# Altium PCB PCB_SDR.PcbDoc (part 5 of 6)
Units mil, origin at the board's own origin, x right, y up, seen from the top; angles counter-clockwise.
Board outline 4925.6 x 3220.01 mil, 8 copper layers (Top Layer, GND1, Signal 1, Power1, Power2, Signal 2, GND2, Bottom Layer), stack 62.84 mil thick; 406 components, 373 nets, 1642 pads, 1474 vias.
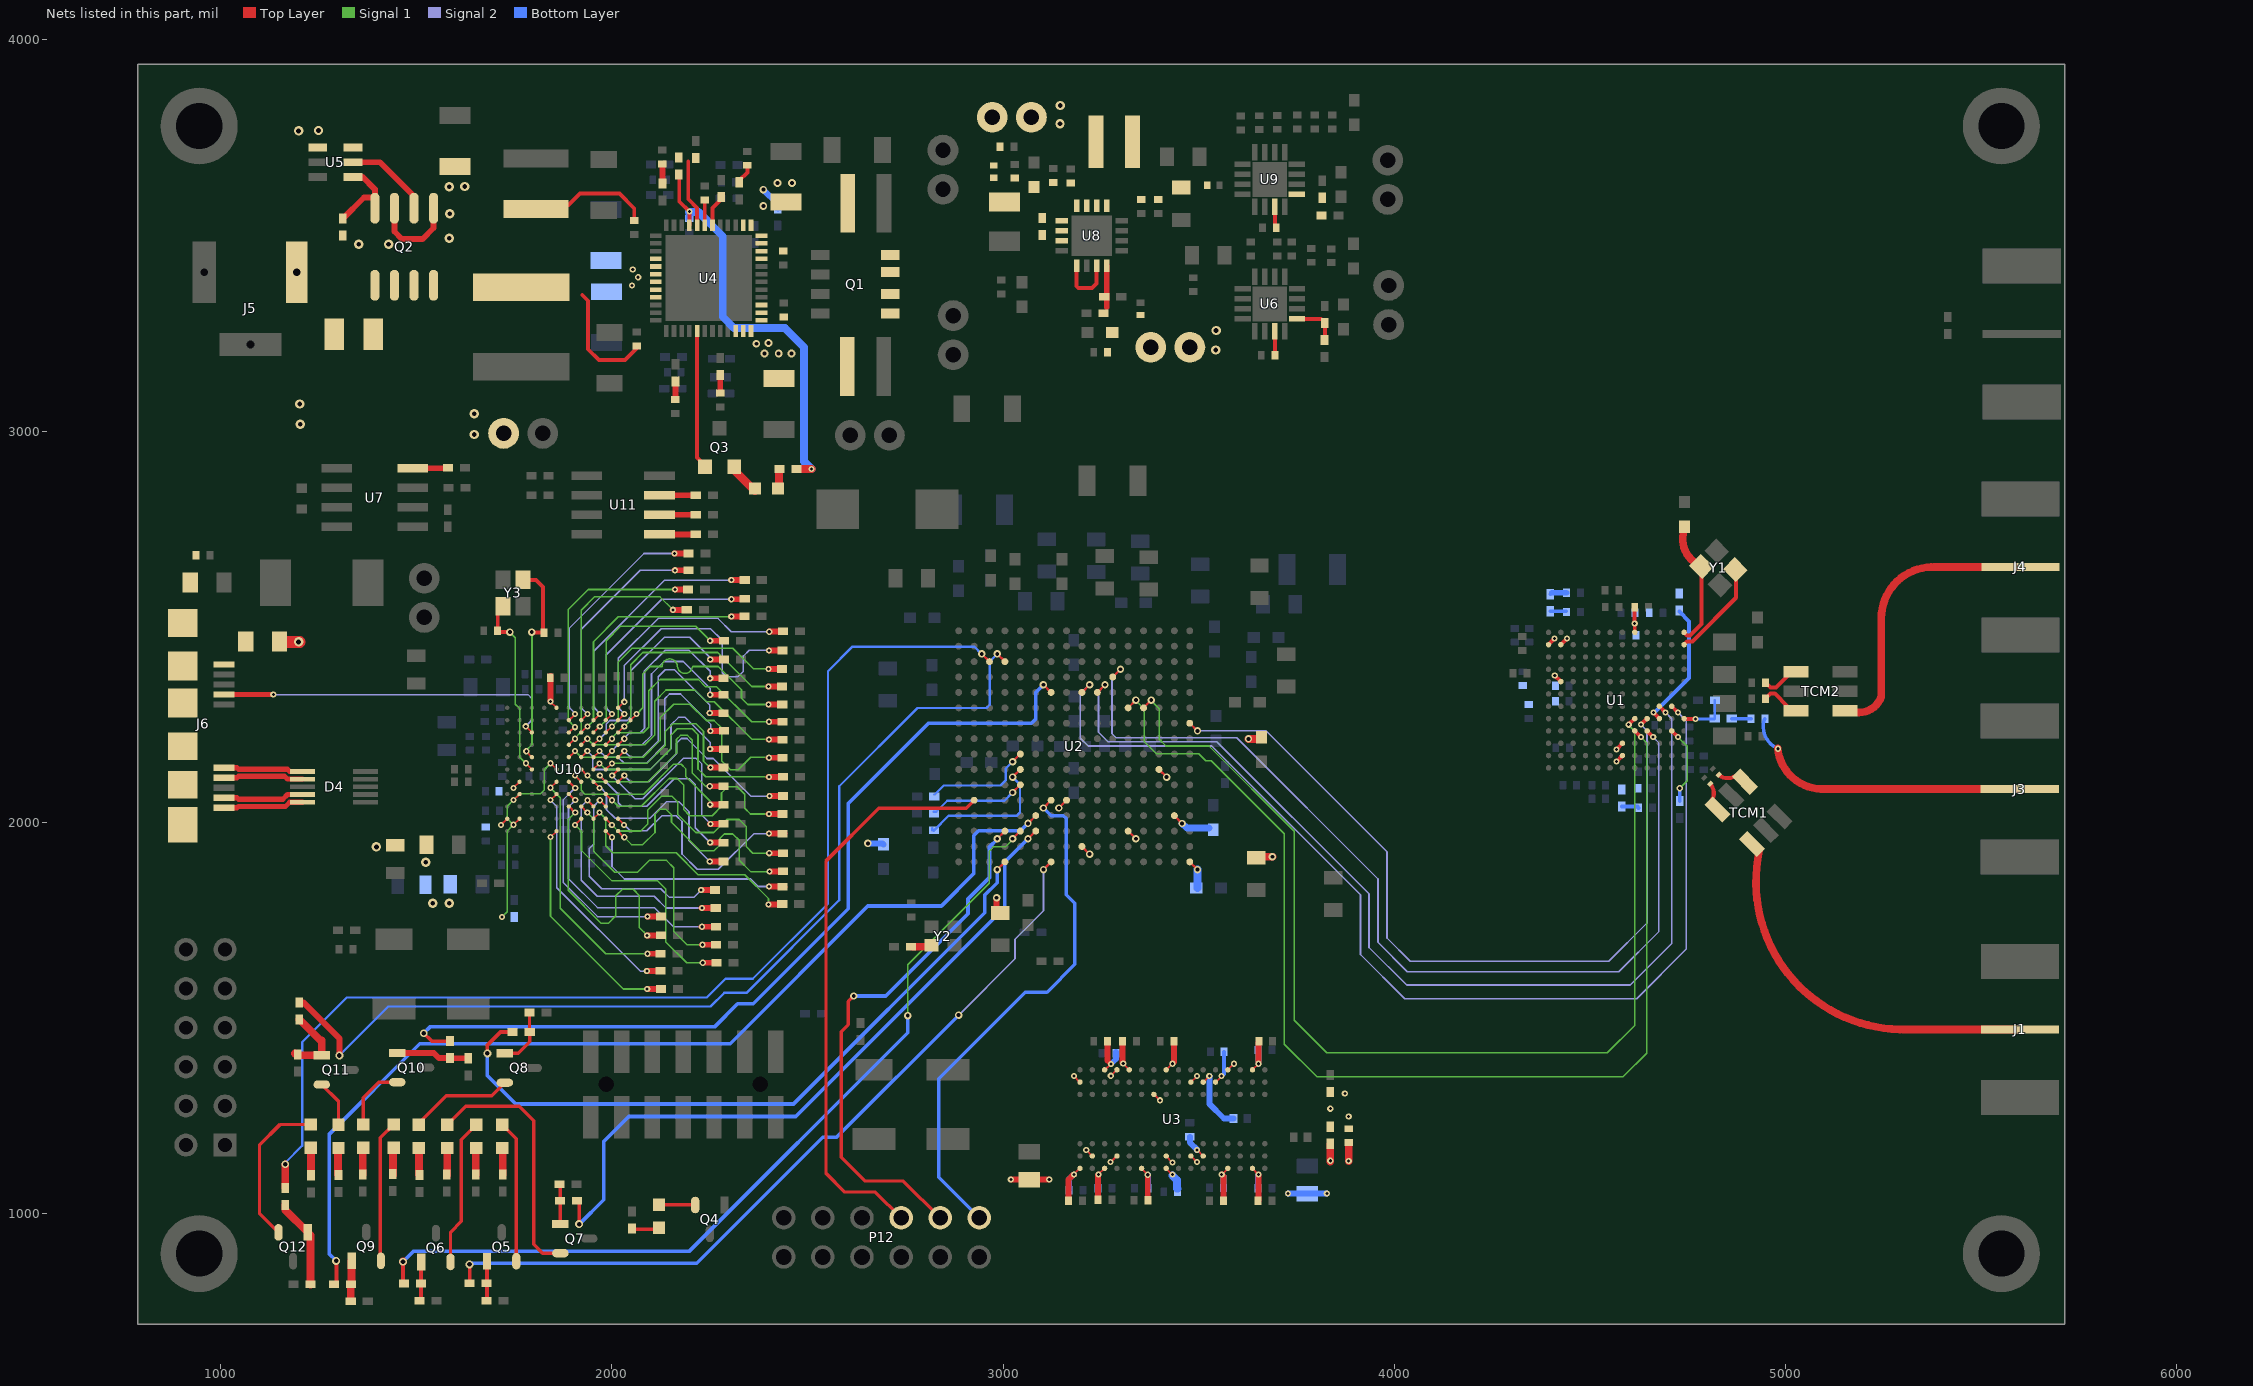
[diagram p11: the nets of this part, all layers, seen from the top]

## Via types
v1: diameter 15.75, hole 7.87, Top Layer to Bottom Layer, tented both sides, 559 vias
v2: diameter 18.9, hole 9.84, Top Layer to Bottom Layer, tented both sides, 368 vias
v3: diameter 20, hole 11.81, Top Layer to Bottom Layer, 129 vias
v4: diameter 15.75, hole 7.87, Top Layer to Bottom Layer, 126 vias
v5: diameter 20, hole 10, Top Layer to Bottom Layer, 124 vias
v6: diameter 24, hole 12, Top Layer to Bottom Layer, 105 vias
v7: diameter 19.68, hole 9.84, Top Layer to Bottom Layer, tented both sides, 22 vias
v8: diameter 19.68, hole 7.87, Top Layer to Bottom Layer, tented both sides, 20 vias
v9: diameter 20, hole 10, Top Layer to Bottom Layer, tented both sides, 14 vias
v10: diameter 21.65, hole 9.84, Top Layer to Bottom Layer, 6 vias
v11: diameter 21.65, hole 7.87, Top Layer to Bottom Layer, tented both sides, 1 vias

## Nets (pads, with @x,y where several pads share a name; then routed paths per layer and width w, separated by ;. In a path a pad name is that pad's centre, name@x,y a point inside that pad or via, vN(x,y) a via of type N, cw(c..) or ccw(c..) an arc to the next point about the centre after c; other vN are vias at no path point) (continued)
GPIO3: P12.12 U2.K12 | length 1347.2
  Top Layer w6: v2(3102.76,2036.61) U2.K12@3122.44,2056.3
  Bottom Layer w8.6: P12.12@2939,989 2835,1093 2835,1345 3056,1566 3112,1566 3183,1637 3183,1793 3161,1815 3161,2010 3154,2017 3122.37,2017 v2(3102.76,2036.61)
GPIO4: P12.11 U2.N14 | length 1372.1
  Top Layer w6: v2(2984.65,1957.87) U2.N14@3004.33,1977.56
  Top Layer w8.6: v2(2618,1556) 2604,1542 2604,1483 2586,1465 2586,1144 2647,1083 2745,1083 P12.11@2839,989
  Bottom Layer w6: v2@2984.65,1956.65 v2(2984.65,1957.87)
  Bottom Layer w9.28: v2(2618,1556) 2700,1556 2910,1766 2910,1804 2965,1859 2965,1937 v2@2984.65,1956.65
GPIO5: P12.10 U2.R12 | length 1480.1
  Top Layer w8.6: P12.10@2739,989 2673,1055 2595,1055 2547,1103 2547,1901 2682,2036 2905.29,2036 U2.R12@2925.59,2056.3
JACK_IN: F1.1 J5.1
LEDS0: R130.2 U2.K16 | length 2051.4
  Top Layer w6: v2@3102.76,1879.13 U2.K16@3122.44,1898.82
  Top Layer w9.28: R130.2@1636.24,822 1636.24,868.76 1636,869 v3@1636.6,869.6
  Signal 2 w4.15: v2(2886,1507) 3030,1651 3030,1701 3103,1774 v2(3103,1878.89)
  Bottom Layer w9.28: v3(1636,870) 1639,873 2217,873 2539,1195 2574,1195 v2(2886,1507)
LEDS1: R131.2 U2.M14 | length 2247.8
  Top Layer w6: v2(3024.02,1957.87) U2.M14@3043.7,1977.56
  Top Layer w9.28: v3@1464,877 v3@1466,877 ; R131.2@1466,817 v3(1466,876.6)
  Top Layer w20: v3@1466,877 v3@1466.4,876.6
  Signal 1 w4.15: v2(2756,1506) 2756,1636 2964,1844 2964,1926 2975,1937 3005,1937 3024.02,1956.02 v2(3024.02,1957.87)
  Bottom Layer w5.91: v2@3023.13,1957.87 v2(3024.02,1957.87)
  Bottom Layer w9.28: v3(1466,876.6) 1493.4,904 2198,904 2756,1462 v2(2756,1506)
LEDS2: R116.2 U2.L14 | length 1801.4
  Top Layer w6: v2(3063.39,1957.87) U2.L14@3083.07,1977.56
  Top Layer w9.28: R116.2@1910.76,1033 1916,1027.76 v3(1916,973) ; v3@1913.6,973.4 v3@1914,973
  Bottom Layer w9.28: v3(1916,973) 1917,973 1979,1035 1979,1184 2043,1248 2470,1248 3004,1782 3004,1898.49 v2(3063.39,1957.87)
LEDS3: R117.2 U2.N16 | length 1811.7
  Top Layer w6: v2(2984.65,1879.13) U2.N16@3004.33,1898.82
  Top Layer w9.28: v3(1681.6,1409.4) 1681.6,1430.6 1715,1464 R117.2@1746.24,1464
  Bottom Layer w9.28: v3(1681.6,1409.4) 1681.6,1352.4 1754,1280 2464,1280 2953,1769 2953,1814 2984.65,1845.65 v2(2984.65,1879.13)
LEDS4: R118.2 U2.L13 | length 2594.1
  Top Layer w6: v2(3063.39,1997.24) U2.L13@3083.07,2016.93
  Top Layer w9.28: R118.2@1289.24,819 1296,825.76 1296,878 v3(1295,879)
  Bottom Layer w9.28: v3(1295,879) 1277,897 1277,1202 1509,1434 2302,1434 2654,1786 2842,1786 2925,1869 2925,1966 2937,1978 3044.14,1978 v2(3063.39,1997.24)
LEDS5: R119.2 U2.K5 | length 2253.2
  Top Layer w6: v2(3102.75,2351.57) U2.K5@3122.44,2331.89
  Top Layer w9.28: v3(1519,1461) 1539.24,1440.76 R119.2@1586,1440.76
  Bottom Layer w9.28: v3(1519,1461) 1535,1477 2262,1477 2321,1536 2361,1536 2604,1779 2604,2048 2809,2253 3072,2253 3083,2264 3083,2331.82 v2(3102.75,2351.57)
LEDS6: R120.2 U2.N3 | length 2556.1
  Top Layer w6: R120.2@1201,1539.76 1211.24,1539.76 ; v3@1301.76,1405.24 v3(1303.19,1403.81) ; v2(2984.65,2430.32) U2.N3@3004.33,2410.63
  Top Layer w15: 1211.24,1539.76 1303.19,1447.81 v3(1303.19,1403.81)
  Bottom Layer w6: v3(1303.19,1403.81) 1428.38,1529 2252,1529 2287,1564 2344,1564 2581,1801 2581,2092 2781,2292 2957,2292 2965.33,2300.33 2965.33,2411 v2(2984.65,2430.32)
LEDS7: R121.2 U2.P3 | length 2929.6
  Top Layer w6: v2(2945.28,2430.32) U2.P3@2964.96,2410.63
  Top Layer w20: R121.2@1165,1065.76 v3(1165,1126)
  Bottom Layer w6: v3(1165,1126) 1165,1130 1208,1173 1208,1438 1322,1552 2242,1552 2290,1600 2360,1600 2552,1792 2552,2386 2615,2449 2926,2449 2944.68,2430.32 v2(2945.28,2430.32)
M0: R14.1 U2.M9 | length 280.2
  Top Layer w6: v2(3024.02,2154.72) U2.M9@3043.7,2174.41
  Bottom Layer w6: R14.1@2823.76,2071 2825,2071 2848,2094 2993,2094 3006,2107 3006,2136.71 v2(3024.02,2154.72)
M1: R15.1 U2.M10 | length 372.8
  Top Layer w6: v2(3024.02,2115.35) U2.M10@3043.7,2135.04
  Bottom Layer w6: R15.1@2818.76,1979 R15.1@2818.76,1985 ; R15.1@2821.76,1978 2860.76,2017 3035,2017 3043,2025 3043,2096.37 v2(3024.02,2115.35)
M2: R16.1 U2.M11 | length 250.4
  Top Layer w6: v2(3024.02,2075.98) U2.M11@3043.7,2095.67
  Bottom Layer w6: R16.1@2821.76,2027 2829,2027 2857,2055 3003.03,2055 v2(3024.02,2075.98)
N_CS: R101.1 U3.L2 | length 63.4
  Top Layer w5: v1@3495.65,1162.75 3495.7,1162.7 U3.L2@3511,1147
  Bottom Layer w15: R101.1@3477,1196.28 3477,1181.29 v1(3495.65,1162.65)
NetC3_1: C3.1 R3.2 | length 44.6
  Bottom Layer w10: R3.2@4580.85,2040.24 4620.9,2040.24 C3.1@4624.13,2037
NetC4_1: C4.1 R4.2 | length 42.9
  Bottom Layer w10: R4.2@4398.39,2582.81 R4.2@4402.21,2586.64
  Bottom Layer w15: R4.2@4402.21,2586.64 C4.1@4439.72,2586.64
NetC8_1: C8.1 R6.1 | length 49.2
  Bottom Layer w8.96: R6.1@4862.09,2265 C8.1@4911.28,2265
NetC67_1: C67.1 R19.1 | length 52.2
  Top Layer w5: R19.1@2325,3635.76 R19.1@2325,3640
  Top Layer w10: R19.1@2325,3640 2346,3661 C67.1@2346,3679.28
NetC69_1: C69.1 R20.1 | length 46.2
  Top Layer w10: C69.1@2276.57,3096.65 C69.1@2276.77,3096.85
  Top Layer w15: C69.1@2276.77,3096.85 R20.1@2276.77,3142.8
NetC71_1: C71.1 R22.1 | length 49.5
  Top Layer w15: R22.1@2129,3632.76 C71.1@2129,3682.28
NetC73_1: C73.1 R24.1 | length 45.2
  Top Layer w15: C73.1@2162.4,3081.89 R24.1@2162.4,3127.06
NetC89_1: C89.1 U6.7 | length 59.6
  Top Layer w10: C89.1@3694.17,3195.66 U6.7@3694.17,3255.27
NetC100_2: C100.2 C101.2 C102.2 C116.1 E1.1 L7.2 R38.1 U8.12 U8.13
NetC117_2: C117.2 C118.2 C119.2 E2.1 L8.2
NetC129_1: C129.1 U9.7 | length 51.5
  Top Layer w10: C129.1@3694.17,3523.66 U9.7@3694.17,3575.15
NetC179_2: C179.2 J6.Shell L14.1 | length 0.7
  Top Layer w10: J6.Shell@903.23,2507.5 J6.Shell@903.69,2507.97
NetD1_1: D1.1 R13.1 | length 73.4
  Top Layer w8.6: R13.1@2048,960 2116.53,960 D1.1@2120,963.47
NetD1_2: D1.2 Q4.2 | length 92.9
  Top Layer w8.6: D1.2@2120,1022.53 2211.88,1022.53 Q4.2@2212.6,1021.81
NetD3_1: D3.1 R29.1 | length 51
  Top Layer w10: R29.1@2427,2901.24 R29.1@2428.24,2900
  Top Layer w20: D3.1@2424.53,2853 2427,2855.47 R29.1@2427,2901.24
NetD3_2: D3.2 Q3.2 | length 84.2
  Top Layer w20: Q3.2@2310.5,2901.5 2365.47,2846.53 D3.2@2365.47,2853
NetD5_1: D5.1 R113.1 | length 68.7
  Top Layer w20: R113.1@1231,1098.76 D5.1@1231,1167.47
NetD5_2: D5.2 Q12.2 | length 396.1
  Top Layer w8.6: Q12.2@1147.6,951.81 1099,1000.41 1099,1175 1151.53,1227.53 D5.2@1230,1227.53
NetD6_1: D6.1 R106.1 | length 68.2
  Top Layer w5.91: D6.1@1719.92,1167.54 D6.1@1721,1166.46
  Top Layer w20: R106.1@1721,1099.76 D6.1@1721,1166.46
NetD6_2: D6.2 Q5.2 | length 370.1
  Top Layer w8.6: D6.2@1719.92,1226.59 1755.4,1191.11 Q5.2@1755.4,871.19
NetD7_1: D7.1 R107.1 | length 69.2
  Top Layer w5.91: D7.1@1652,1166.54 D7.1@1652.99,1167.54
  Top Layer w20: R107.1@1652,1098.76 D7.1@1652,1166.54
NetD7_2: D7.2 Q6.2 | length 382
  Top Layer w8.6: Q6.2@1591.81,876.19 Q6.2@1587.4,876.19 1587.4,952.4 1615,980 1615,1188.6 D7.2@1652.99,1226.59
NetD8_1: D8.1 R108.1 | length 68.6
  Top Layer w20: R108.1@1579,1098.76 D8.1@1579,1167.36
NetD8_2: D8.2 Q7.2 | length 649.3
  Top Layer w8.6: D8.2@1579.17,1226.59 1626.58,1274 1763,1274 1800,1237 1800,921 1822.4,898.6 Q7.2@1868.19,898.6
NetD9_1: D9.1 R109.1 | length 68
  Top Layer w5.91: D9.1@1506.34,1167.54 D9.1@1507,1166.87
  Top Layer w20: R109.1@1507,1099.76 D9.1@1507,1166.87
NetD9_2: D9.2 Q8.2 | length 267.4
  Top Layer w8.6: D9.2@1506.34,1226.59 1506.34,1231.34 1576,1301 1692.59,1301 Q8.2@1726.19,1334.6
NetD10_1: D10.1 R110.1 | length 70.5
  Top Layer w5.91: D10.1@1440,1166.47 D10.1@1442,1168.47
  Top Layer w20: R110.1@1440,1098.76 D10.1@1440,1166.47
NetD10_2: D10.2 Q9.2 | length 355.9
  Top Layer w8.6: Q9.2@1411,887 1408,890 1408,1193.53 D10.2@1442,1227.53
NetD11_1: D11.1 R111.1 | length 69.1
  Top Layer w5.91: D11.1@1363,1167.47 D11.1@1364,1168.47
  Top Layer w20: R111.1@1363,1099.76 D11.1@1363,1167.47
NetD11_2: D11.2 Q10.2 | length 172.1
  Top Layer w8.6: D11.2@1364,1227.53 1364,1296 1403.6,1335.6 Q10.2@1451.19,1335.6
NetD12_1: D12.1 R112.1 | length 68.1
  Top Layer w5.91: D12.1@1300,1166.47 D12.1@1301,1167.47
  Top Layer w20: R112.1@1300,1099.76 D12.1@1300,1166.47
NetD12_2: D12.2 Q11.2 | length 120.8
  Top Layer w8.6: Q11.2@1258.19,1329.6 1301,1286.79 D12.2@1301,1226.53
NetJ6_1: J6.1 L13.2
NetL8_1: L8.1 U8.9 U8.10 U8.11
NetQ2_2: Q2.2 U5.5 | length 196
  Top Layer w15: U5.5@1338,3687 1407,3687 1494,3600 Q2.2@1494,3596
NetQ2_4: Q2.4 R25.1 U5.4 | length 194.6
  Top Layer w15: R25.1@1312,3542.76 1366.24,3597 1394,3597 1394,3618 1362.4,3649.6 U5.4@1338,3649.6
NetQ5_1: Q5.1 R122.1 R130.1 | length 101.8
  Top Layer w9.28: R122.1@1679.24,777 1680.6,778.36 Q5.1@1680.6,878.19
NetQ6_1: Q6.1 R123.1 R131.1 | length 101
  Top Layer w9.28: R123.1@1508.24,777 1511.76,780.53 R131.1@1511.76,821 1511.76,875.35 Q6.1@1512.6,876.19
NetQ7_1: Q7.1 R116.1 R124.1 | length 102.4
  Top Layer w8.6: R124.1@1866.24,1075 1868.19,1073.05 Q7.1@1868.19,973.4
NetQ8_1: Q8.1 R117.1 R125.1 | length 151.2
  Top Layer w8.6: Q8.1@1726.19,1409.4 1760.4,1409.4 1789.76,1438.76 R117.1@1789.76,1464 1789.24,1464.53 R125.1@1789.24,1514
NetQ9_1: Q9.1 R118.1 R126.1 | length 104.2
  Top Layer w20: R126.1@1332.24,776 1332.24,818.47 R118.1@1332.76,819 1334.6,820.83 Q9.1@1334.6,879.19
NetQ10_1: Q10.1 R119.1 R127.1 | length 187.5
  Top Layer w6: R119.1@1586,1397.24 R119.1@1586.47,1396.76
  Top Layer w15: Q10.1@1451.19,1410.4 1544.6,1410.4 1557.76,1397.24 R119.1@1586,1397.24 ; R119.1@1586.47,1396.76 R127.1@1633,1396.76
NetQ11_1: Q11.1 R120.1 R128.1 | length 187.9
  Top Layer w4.15: Q11.1@1258.19,1404.4 Q11.1@1258.19,1404.4
  Top Layer w20: R128.1@1190,1408.76 1194.36,1404.4 Q11.1@1258.19,1404.4 ; R120.1@1201,1496.24 1254.24,1443 1258.24,1443 Q11.1@1258.19,1404.4
NetQ12_1: Q12.1 R121.1 R129.1 | length 230.1
  Top Layer w20: R121.1@1165,1022.24 1165,1009.21 Q12.1@1222.4,951.81 1229.76,944.45 R129.1@1229.76,819
NetR1_2: R1.2 U1.K5 | length 329.9
  Top Layer w10: v1@4661.42,2280.71 v1(4661.61,2280.51) U1.K5@4677.17,2264.96
  Bottom Layer w10: v1(4661.61,2280.51) 4664.51,2280.51 4753,2369 4753,2513.24 R1.2@4728,2538.24
NetR2_2: R2.2 U1.L4 | length 203.1
  Top Layer w10: U1.L4@4708.66,2233.46 v1(4724.21,2217.91) v1@4724.41,2217.72
  Signal 1 w4.15: v1(4724.21,2217.91) 4748,2194.12 4748,2106 v1(4729,2087)
  Bottom Layer w10: R2.2@4729,2054.76 v1(4729,2087)
NetR34_2: R34.2 U7.8 | length 90.7
  Top Layer w10: R34.2@1580.24,2905 R34.2@1581.24,2906
  Top Layer w15: U7.8@1491,2905 R34.2@1580.24,2905
NetR35_1: R35.1 R36.1 U6.9 | length 104.6
  Top Layer w10: U6.9@3750.87,3286.39 3811.96,3286.39 ; R36.1@3822.11,3232.76 R35.1@3822.11,3276.24
NetR40_2: R40.2 R41.1 U8.4 | length 106.5
  Top Layer w13.78: 3264.25,3316.02 U8.4@3264.24,3422.48
NetR42_1: R42.1 R43.1 U9.9
NetR49_1: R49.1 U10.B2 U10.B4 U10.E6 | length 554.7
  Top Layer w5: v1(1748.03,1993.7) U10.B2@1763.78,2009.06 ; v1(1748.03,2056.69) U10.B4@1763.78,2072.05 ; v1(1843.31,2150.79) 1858.47,2135.24 U10.E6@1858.66,2135.04
  Signal 1 w4.15: v1(1719,1758) 1732,1771 1732,1977.67 v1(1748.03,1993.7) 1732,2009.74 1732,2040.66 v1(1748.03,2056.69) 1764.15,2072.82 1817.39,2072.82 1827,2082.42 1827,2134.48 v1(1843.31,2150.79)
NetR67_2: R67.2 U11.1 | length 92.7
  Top Layer w15: U11.1@2121.48,2735.93 R67.2@2214.17,2735.93
NetR68_2: R68.2 U11.2 | length 91.7
  Top Layer w15: U11.2@2121.48,2785.93 R68.2@2213.17,2785.93
NetR70_2: R70.2 U11.3 | length 92.7
  Top Layer w15: U11.3@2121.48,2835.93 R70.2@2214.17,2835.93
NetR97_2: R97.2 Y2.1 | length 43.9
  Top Layer w20: R97.2@2768.76,1682 Y2.1@2812.65,1682
OTG_ID: J6.4 U10.C9 | length 891
  Top Layer w5: v1@1779.92,2245.28 U10.C9@1795.08,2229.72
  Top Layer w12: J6.4@1008.54,2326.4 v1(1134.4,2326.4)
  Signal 2 w4.15: v1(1134.4,2326.4) 1785.6,2326.4 1796,2316 1796,2261.75 v1(1779.53,2245.28)
PWRGD: Q3.1 U4.17 | length 369.1
  Top Layer w10: U4.17@2217.52,3255.8 2217.52,2932.48 Q3.1@2249.91,2900.09
R_CTL0: R62.2 U10.K8 | length 498.1
  Top Layer w5: U10.K8@2015.75,2198.03 v1(2031.5,2213.39)
  Top Layer w15: v1@2250,2368 v1(2251,2368) R62.2@2285,2368
  Signal 2 w4.15: v1@2031.5,2215.5 2045,2229 2072,2229 2083,2240 2083,2387 2136,2440 2197,2440 2251,2386 v1(2251,2368)
  Bottom Layer w5: v1(2031.5,2213.39) v1@2031.5,2215.5
R_CTL1: R63.2 U10.K7 | length 531.2
  Top Layer w5: U10.K7@2015.75,2166.54 v1(2031.5,2181.89)
  Top Layer w15: v1@2249,2279 v1(2250,2279) R63.2@2285,2279
  Signal 2 w4.15: v1(2031.5,2181.89) 2047.39,2166 2077,2166 2118,2207 2118,2372 2136,2390 2160,2390 2250,2300 v1(2250,2279)
  Bottom Layer w5: v1@2031.5,2181.5 v1(2031.5,2181.89)
R_CTL2: R64.2 U10.J7 | length 541.9
  Top Layer w5: U10.J7@1984.25,2166.54 v1(2000,2181.89)
  Top Layer w15: v1@2250,2326 v1(2251,2326) R64.2@2286,2326
  Signal 2 w4.15: v1@2000,2183 2015,2198 2077,2198 2101,2222 2101,2379 2133,2411 2182,2411 2251,2342 v1(2251,2326)
  Bottom Layer w5: v1(2000,2181.89) v1@2001.89,2181.89
R_CTL3: R65.2 U10.H7 | length 548.6
  Top Layer w5: U10.H7@1952.76,2166.54 v1(1968.5,2181.89)
  Top Layer w15: v1@2251,2233 v1(2252,2233) R65.2@2287,2233
  Signal 2 w4.15: v1@1969.11,2181.89 1985.23,2165.77 2016.23,2165.77 2031,2151 2088,2151 2135,2198 2135,2316 2147,2328 2175,2328 2252,2251 v1(2252,2233) v1@2252,2231
  Bottom Layer w5: v1(1968.5,2181.89) v1@1969.11,2181.89
R_CTL4: R66.2 U10.G7 | length 542.8
  Top Layer w5: U10.G7@1921.26,2166.54 v1(1937.01,2181.89)
  Top Layer w15: v1@2250,2187 v1(2251,2187) R66.2@2286,2187
  Signal 2 w4.15: v1(1937.01,2181.89) 1951,2167.9 1951,2139 1955,2135 2098,2135 2151,2188 2151,2249 2170,2268 2187,2268 2251,2204 v1(2251,2187)
  Bottom Layer w5: v1@1936.89,2181.89 v1(1937.01,2181.89)
R_CTL5: R69.2 U10.G6 | length 551.5
  Top Layer w5: U10.G6@1921.65,2135.04 v1@1937.01,2119.29
  Top Layer w15: v1@2249,2092 v1(2250,2092) R69.2@2285.24,2092 R69.2@2286,2092
  Signal 1 w4.15: v1(1937.53,2119.54) 1953.15,2103.92 2091.92,2103.92 2165,2177 2165,2212 2175,2222 2193,2222 2205,2210 2205,2126 2239,2092 v1(2250,2092)
  Bottom Layer w5: v1@1937.53,2118.47 v1(1937.53,2119.54)
R_CTL6: R73.2 U10.K6 | length 523.1
  Top Layer w5: v1(2000.5,2119.61) 2016.03,2134.75 U10.K6@2016.25,2134.96
  Top Layer w15: v1@2251,1996 v1(2252,1996) R73.2@2287,1996
  Signal 2 w4.15: v1@2000.5,2118.5 2059,2060 2079,2060 2183,2164 2215,2164 2229,2150 2229,2019 v1(2252,1996)
R_CTL7: R74.2 U10.H8 | length 556.6
  Top Layer w5: U10.H8@1952.76,2198.03 v1(1968.5,2213.39)
  Top Layer w15: v1@2250.24,2416 v1(2251.24,2416) R74.2@2286.24,2416
  Signal 2 w4.15: v1@1968.5,2213.5 1985.02,2230.02 1985.02,2251.25 1994.03,2260.26 2038.26,2260.26 2048,2270 ; 2048,2270.04 2047.91,2270.13 2047.91,2282.63 2048,2282.72 2048,2301.53 2047.91,2301.63 2047.91,2314.12 2048,2314.21 2048,2387 2134,2473 2199,2473 2251.24,2420.76 v1(2251.24,2416)
  Bottom Layer w5: v1@1967.61,2213.39 v1(1968.5,2213.39)
R_CTL8: R75.2 U10.G5 | length 524.6
  Top Layer w5: v1@1907.56,2117.6 U10.G5@1921.26,2103.54
  Top Layer w15: v1@2250,2045 v1(2251,2045) R75.2@2285.24,2045 R75.2@2286,2045
  Signal 1 w4.15: v1(1905.51,2119.29) 1921.41,2103.4 1921.41,2081.66 1931.06,2072 2081,2072 2157,2148 2177,2148 2189,2136 2189,2116 2251,2054 v1(2251,2045)
R_CTL9: R76.2 U10.H6 | length 663.6
  Top Layer w5: U10.H6@1952.76,2135.04 v1(1968.5,2150.39)
  Top Layer w15: v1@2400.24,2116 v1(2401.24,2116) R76.2@2437.24,2116
  Signal 1 w4.15: v1(1968.5,2150.39) 1983.9,2135 2097,2135 2150,2188 2150,2222 2167,2239 2205,2239 2220,2224 2220,2136 2240,2116 v1(2401.24,2116)
R_CTL10: R77.2 U10.K5 | length 558.2
  Top Layer w5: U10.K5@2016.2,2103.29 v1@2031.95,2118.65
  Top Layer w15: v1@2402,2067 v1(2403,2067) R77.2@2437.24,2067 R77.2@2438,2067
  Signal 2 w4.15: v1(2031.5,2119.29) 2046.87,2103.92 2093.92,2103.92 2165,2175 2165,2202 2177,2214 2192,2214 2243,2163 2259,2163 2355,2067 v1(2403,2067)
R_CTL11: R78.2 U10.J5 | length 546.4
  Top Layer w5: v1(1968.9,2119.29) U10.J5@1984.25,2103.54
  Top Layer w15: v1@2250,1948 v1(2251,1948) R78.2@2285.23,1948 R78.2@2286,1948
  Signal 2 w4.15: v1@1968.9,2119.1 2016.12,2071.88 2016.12,2049.88 2025.13,2040.88 2088.88,2040.88 2159,2111 2198,2111 2213,2096 2213,1986 v1(2251,1948)
R_CTL12: R79.2 U10.H5 | length 518.4
  Top Layer w5: U10.H5@1953.15,2103.54 v1@1968.38,2087.92
  Top Layer w15: v1(2250,1900) R79.2@2285,1900
  Signal 2 w4.15: v1(1968.5,2088.04) 1970.96,2088.04 1986,2073 1986,2032 2008,2010 2097,2010 2139,2052 2172,2052 2197,2027 2197,1953 v1(2250,1900)
R_DQ0: R44.2 U10.F10 | length 633.7
  Top Layer w5: U10.F10@1890.16,2261.02 v1(1905.91,2276.38)
  Top Layer w15: v1@2159,2687 v1(2160,2687) R44.2@2196.24,2687
  Signal 1 w4.15: v1@2159,2686 v1(2160,2687)
  Signal 2 w4.15: v1@1905.91,2277.91 1890.14,2293.67 1890.14,2495.14 2082,2687 v1(2160,2687)
R_DQ1: R45.2 U10.F9 | length 658.6
  Top Layer w5: U10.F9@1890.16,2229.53 1904.52,2243.53 1904.78,2243.78 v1@1905.91,2244.88
  Top Layer w15: v1(2161,2595) R45.2@2195.24,2595
  Signal 1 w4.15: v1(1905.51,2243.03) 1888,2260.54 1888,2544 1939,2595 v1(2161,2595)
R_DQ2: R46.2 U10.F7 | length 780.4
  Top Layer w5: U10.F7@1890.16,2166.54 v1(1905.91,2181.89)
  Top Layer w15: v1@2400,2165 v1(2401,2165) R46.2@2434,2165
  Signal 1 w4.15: v1(1905.91,2181.89) 1921.8,2166 2080,2166 2123,2209 2123,2267 2158,2302 2199,2302 2241,2260 2261,2260 2281,2240 2281,2156 2303,2134 2323,2134 2355,2166 2400,2166 v1(2401,2165)
R_DQ3: R47.2 U10.G10 | length 582.7
  Top Layer w5: U10.G10@1921.65,2261.02 v1(1937.4,2276.38)
  Top Layer w15: v1@2160,2644 v1(2161,2644) R47.2@2195.24,2644
  Signal 2 w4.15: v1(1937.4,2276.38) 1921.63,2292.15 1921.63,2493.63 2072,2644 v1(2161,2644)
R_DQ4: R48.2 U10.G9 | length 656.3
  Top Layer w5: U10.G9@1921.65,2229.53 v1(1937.4,2244.88)
  Top Layer w15: v1@2304,2526 v1(2305,2526) R48.2@2338,2526
  Signal 1 w4.15: v1@1937.4,2246.4 1939.4,2246.4 1952.78,2259.78 1952.78,2461.78 2016,2525 v1@2304,2525
R_DQ5: R50.2 U10.F8 | length 652.6
  Top Layer w5: U10.F8@1889.17,2198.03 1889.48,2198.33 v1@1904.92,2213.39
  Top Layer w15: v1@2155,2543 v1(2156,2543) R50.2@2190,2543
  Signal 1 w4.15: v1@1905.51,2215.51 1921.28,2231.28 1921.28,2542.28 1955,2576 2123,2576 v1(2156,2543)
  other v1: 1905.51,2213.39
R_DQ6: R51.2 U10.H10 | length 655
  Top Layer w5: U10.H10@1953.15,2261.02 v1(1968.9,2276.38)
  Top Layer w15: v1@2304,2619 v1(2305,2619) R51.2@2339.24,2619
  Signal 1 w4.15: v1@2303,2619 v1(2305,2619)
  Signal 2 w4.15: v1@1968.9,2277.9 1953.13,2293.67 1953.13,2437.13 2135,2619 v1(2305,2619) v1@2303,2621